# Altium PCB XuperMousePCB.PcbDoc (part 1 of 3) (continued)
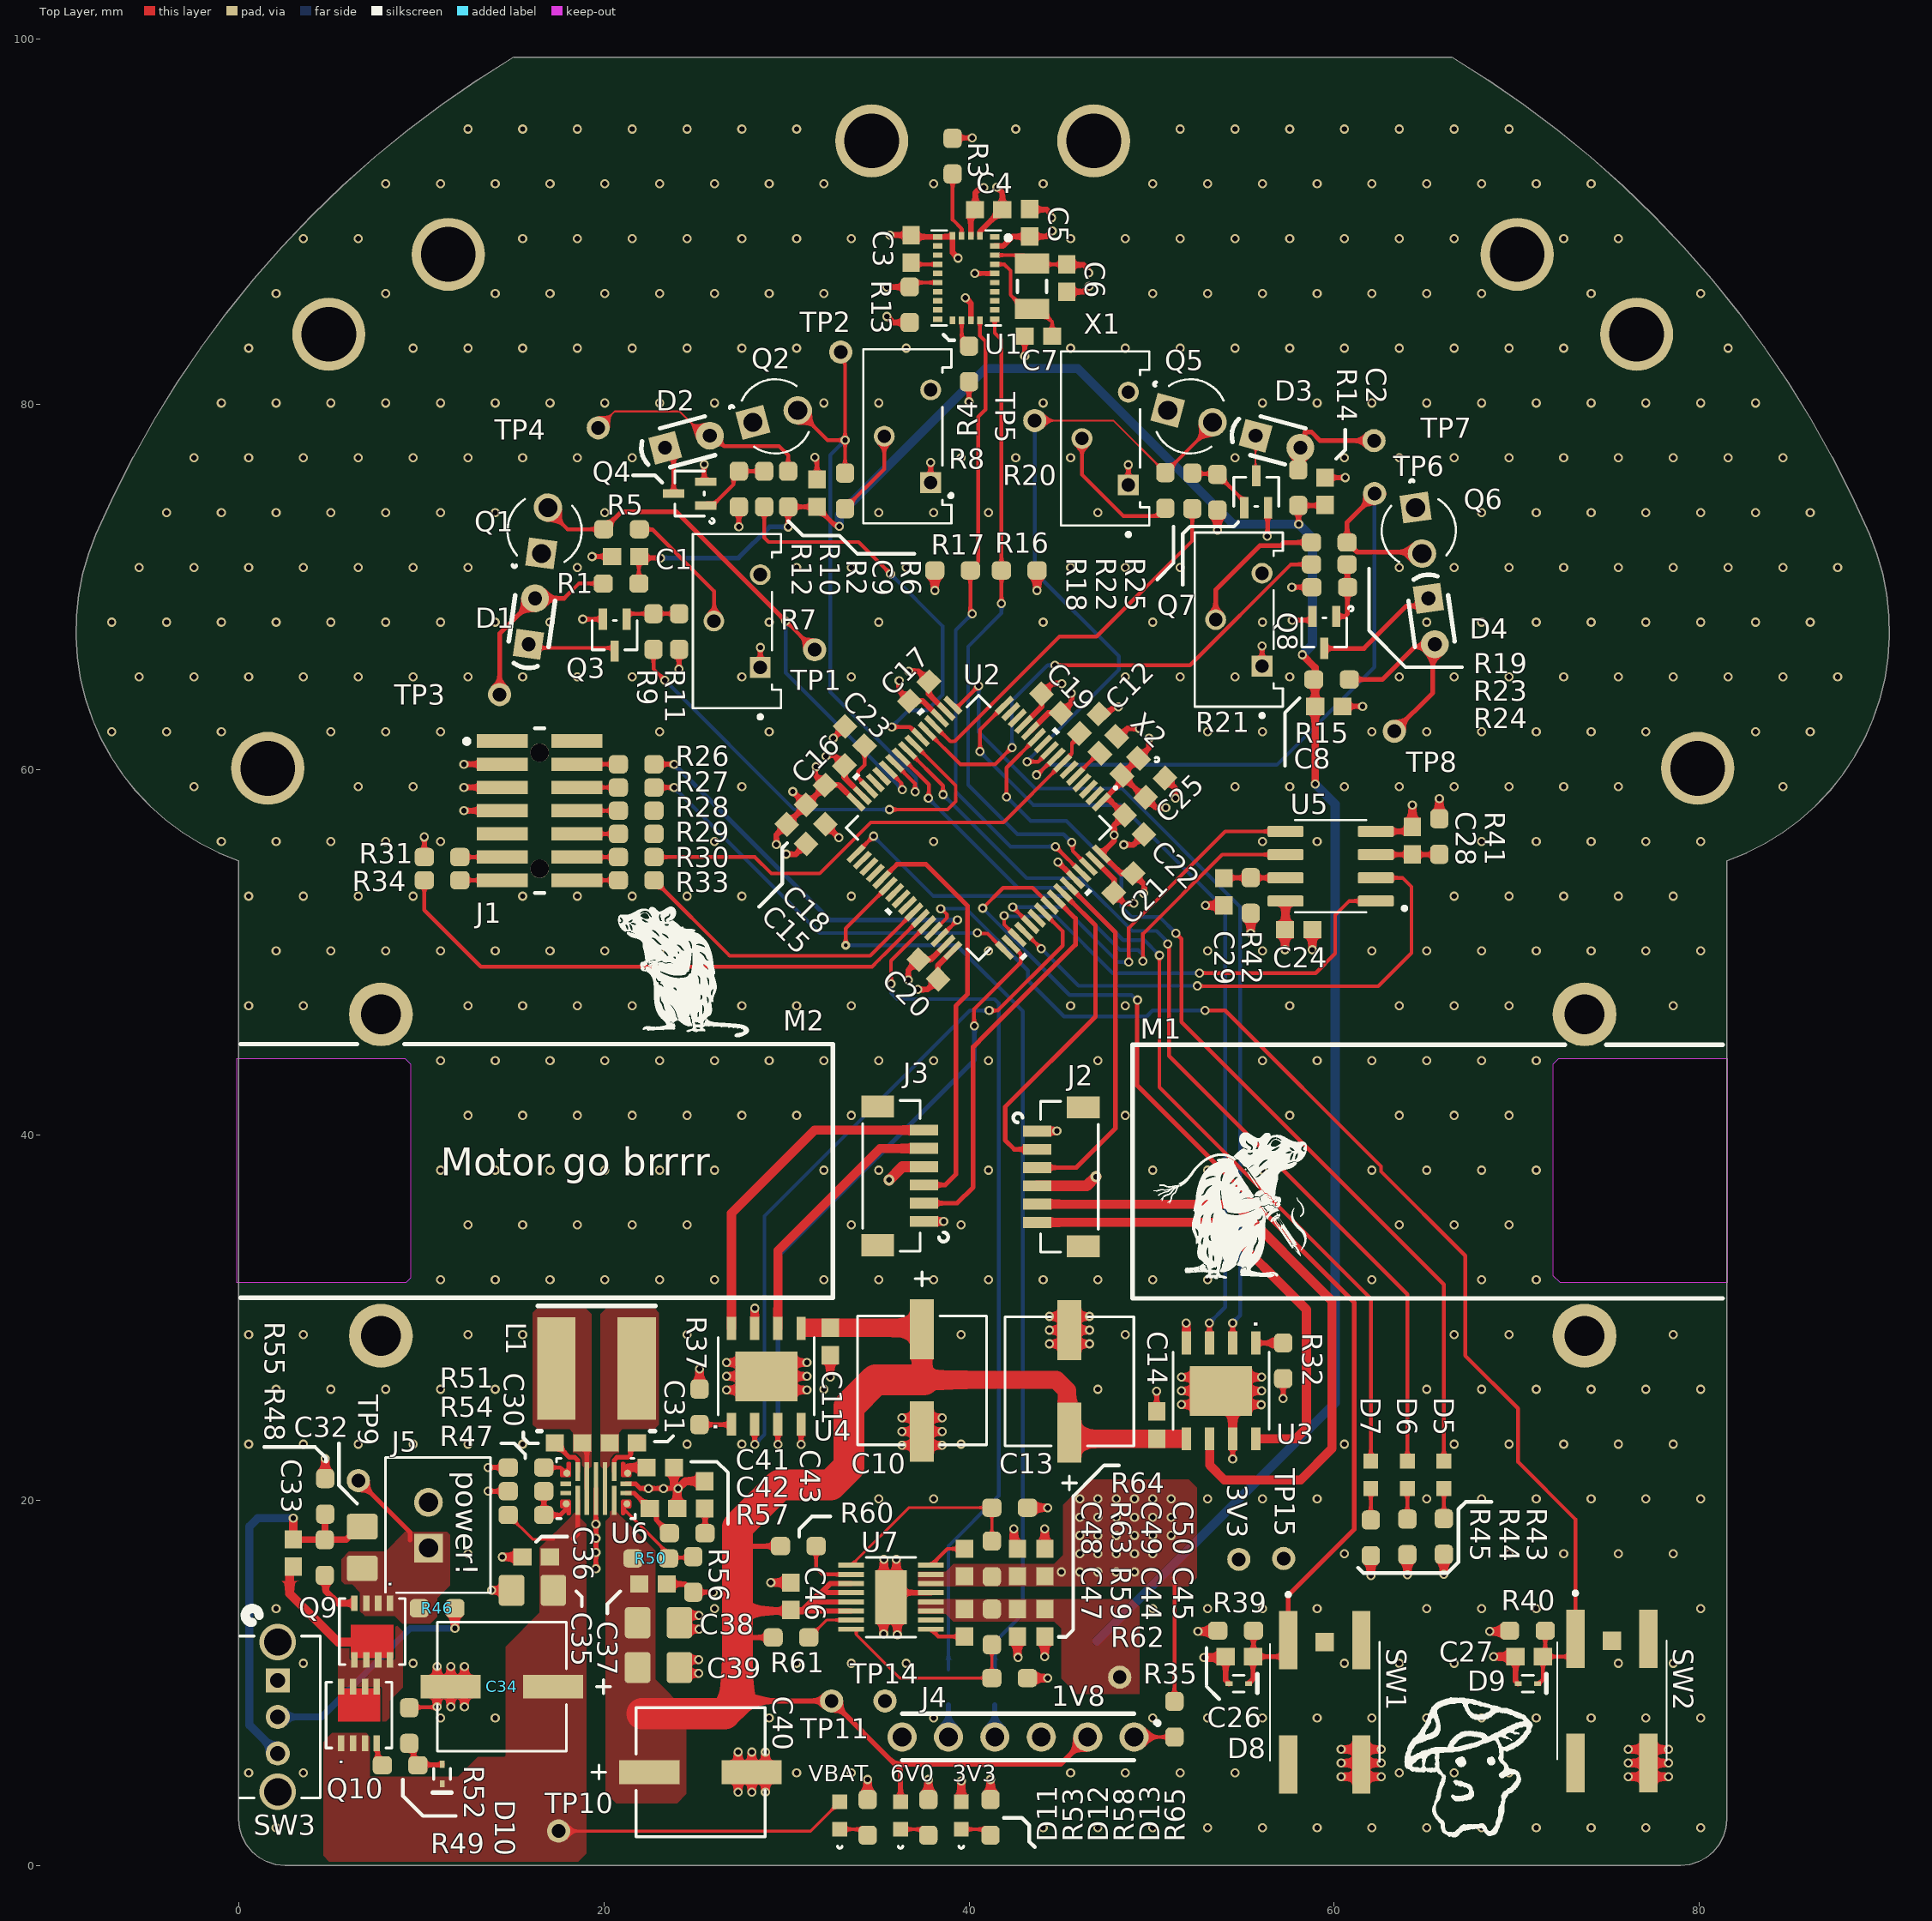
[diagram p0: Top Layer view]
## Part data (continued)
D11 D12 D13: "LED yellow green 0603 wavelength 567.5~576.5nm light intensity 4.5~28mcd Front Mounting", Case Code (Imperial)=0603, Case Code (Metric)=1608, Color=Green, Forward Current=30mA, Forward Voltage=1.9V, Illumination Color="Green, Yellow", Lens Color="Clear, Colorless", Manufacturer="Diodes Inc.", Manufacturer Package Identifier=LTST-C193KGKT-5A, Max Operating Temperature=85°C, Min Operating Temperature=-55°C, Power Dissipation=50mW, Power Rating=75mW, Reverse Voltage=5V, Test Current=5mA, Case/Package=0603, Category=LEDs, China RoHS=Compliant, ComponentLink1Description=https://datasheet.octopart.com:443/LTST-C193KGKT-5A-Lite-On-datasheet-141439008.pdf?src-supplier=ODG+(Origin+Data+Global), ComponentLink1URL=https://datasheet.octopart.com:443/LTST-C193KGKT-5A-Lite-On-datasheet-141439008.pdf?src-supplier=ODG+(Origin+Data+Global), ComponentLink2Description=https://datasheet.octopart.com:443/LTST-C193KGKT-5A-Lite-On-datasheet-86397324.pdf?src-supplier=Upverter, ComponentLink2URL=https://datasheet.octopart.com:443/LTST-C193KGKT-5A-Lite-On-datasheet-86397324.pdf?src-supplier=Upverter, ComponentLink3Description=https://datasheet.octopart.com:443/LTST-C193KGKT-5A-Lite-On-datasheet-12546740.pdf?src-supplier=_legacy+Avnet, ComponentLink3URL=https://datasheet.octopart.com:443/LTST-C193KGKT-5A-Lite-On-datasheet-12546740.pdf?src-supplier=_legacy+Avnet, ComponentLink4Description=https://datasheet.octopart.com:443/LTST-C193KGKT-5A-Lite-On-datasheet-165573808.pdf?src-supplier=TME, ComponentLink4URL=https://datasheet.octopart.com:443/LTST-C193KGKT-5A-Lite-On-datasheet-165573808.pdf?src-supplier=TME, ComponentLink5Description=https://datasheet.octopart.com:443/LTST-C193KGKT-5A-Lite-On-datasheet-62340975.pdf?src-supplier=TME, ComponentLink5URL=https://datasheet.octopart.com:443/LTST-C193KGKT-5A-Lite-On-datasheet-62340975.pdf?src-supplier=TME, ComponentLink6Description=https://datasheet.octopart.com:443/LTST-C193KGKT-5A-Lite-On-datasheet-14174969.pdf?src-supplier=iiiC, ComponentLink6URL=https://datasheet.octopart.com:443/LTST-C193KGKT-5A-Lite-On-datasheet-14174969.pdf?src-supplier=iiiC, Country of Origin="Mainland China, Thailand", Depth=800µm, Dominant Wavelength=576.5nm, Export Control Classification Number (ECCN) Code=EAR99, Harmonized Tariff Schedule (HTS) Code=8541.40.20.00, Height=350µm, Introduction Date=2007-03-15, Lead Free="Lead Free", Length=1.6mm, Lens Style="Clear, Colorless, Diffused, Rectangular", Lens Transparency=Clear, Lifecycle Status=Production, Luminous Intensity=16.25mcd, Manufacturer Part Number=LTST-C193KGKT-5A, Mounting Technology="Surface Mount", Number of Circuits=1, Number of Elements=1, Number of LEDs=1, Number of Terminals=2, Peak Wavelength=574nm, Pins=2, Pricing="5000=0.03977, 10000=0.03887, 20000=0.03797, 40000=0.03708, 80000=0.03618 (USD)", Radiation Hardening=No, REACH SVHC=Yes, RoHS=Compliant, Schedule B="8541402000, 8541402000|8541402000|8541402000|8541402000|8541402000|8541402000|8541402000|8541402000|8541402000|8541402000|8541402000|8541402000|8541402000|8541402000|8541402000|8541402000|8541402000|8541402000|8541402000|8541402000|8541402000|8541402000|8541402000|85", Shape=Rectangular, Stock=95000, Supplier 1=Avnet, Supplier Part Number 1=LTST-C193KGKT-5A, Terminal Pitch=1.5mm, Viewing Angle=130°, Wavelength=571nm, Width=800µm
J1: Supplier Part Number 1=FTSH-107-01-L-DV-K-A-ND, Supplier 1=DigiKey
J2 J3: "Connector Header, SR Series, 6 Position, 1.00mm, 50V, Surface Mount, Tin, Natural", Color=Natural, Contact Resistance=40mΩ, Current Rating=1A, Dielectric Material=Polyamide, Flammability Rating="UL94 V-0", Insulation Resistance=100MΩ, Manufacturer=JST, Manufacturer Part Number=BM06B-SRSS-TB(LF)(SN), Max Operating Temperature=85°C, Min Operating Temperature=-25°C, Voltage Rating=50V, Category="Headers and Wire Housings", China RoHS=Compliant, ComponentLink1Description=https://datasheet.octopart.com:443/BM06B-SRSS-TB%28LF%29%28SN%29-JST-datasheet-120967.pdf?src-supplier=Upverter, ComponentLink1URL=https://datasheet.octopart.com:443/BM06B-SRSS-TB%28LF%29%28SN%29-JST-datasheet-120967.pdf?src-supplier=Upverter, ComponentLink2Description=https://datasheet.octopart.com:443/BM06B-SRSS-TB%28LF%29%28SN%29-JST-datasheet-152738602.pdf?src-supplier=Upverter, ComponentLink2URL=https://datasheet.octopart.com:443/BM06B-SRSS-TB%28LF%29%28SN%29-JST-datasheet-152738602.pdf?src-supplier=Upverter, ComponentLink3Description=https://datasheet.octopart.com:443/BM06B-SRSS-TB%28LF%29%28SN%29-JST-datasheet-12489618.pdf?src-supplier=Component+Distributors+Inc., ComponentLink3URL=https://datasheet.octopart.com:443/BM06B-SRSS-TB%28LF%29%28SN%29-JST-datasheet-12489618.pdf?src-supplier=Component+Distributors+Inc., ComponentLink4Description=https://datasheet.octopart.com:443/BM06B-SRSS-TB%28LF%29%28SN%29-JST-datasheet-65849987.pdf?src-supplier=element14+APAC, ComponentLink4URL=https://datasheet.octopart.com:443/BM06B-SRSS-TB%28LF%29%28SN%29-JST-datasheet-65849987.pdf?src-supplier=element14+APAC, ComponentLink5Description=https://datasheet.octopart.com:443/BM06B-SRSS-TB%28LF%29%28SN%29-JST-datasheet-12513377.pdf?src-supplier=Factory+Futures, ComponentLink5URL=https://datasheet.octopart.com:443/BM06B-SRSS-TB%28LF%29%28SN%29-JST-datasheet-12513377.pdf?src-supplier=Factory+Futures, ComponentLink6Description=https://datasheet.octopart.com:443/BM06B-SRSS-TB%28LF%29%28SN%29-JST-datasheet-5322443.pdf?src-supplier=Newark, ComponentLink6URL=https://datasheet.octopart.com:443/BM06B-SRSS-TB%28LF%29%28SN%29-JST-datasheet-5322443.pdf?src-supplier=Newark, ComponentLink7Description=https://datasheet.octopart.com:443/BM06B-SRSS-TB-%28LF%29%28SN%29-JST-datasheet-44103209.pdf?src-supplier=TME, ComponentLink7URL=https://datasheet.octopart.com:443/BM06B-SRSS-TB-%28LF%29%28SN%29-JST-datasheet-44103209.pdf?src-supplier=TME, ComponentLink8Description=https://datasheet.octopart.com:443/BM06B-SRSS-TB%28LF%29%28SN%29-JST-datasheet-8330955.pdf?src-supplier=Farnell, ComponentLink8URL=https://datasheet.octopart.com:443/BM06B-SRSS-TB%28LF%29%28SN%29-JST-datasheet-8330955.pdf?src-supplier=Farnell, Connector Type="Male Pin", Contact Material="Copper, Tin", Contact Plating=Tin, Country of Origin="Mainland China", Export Control Classification Number (ECCN) Code=EAR99, Gender=Male, Harmonized Tariff Schedule (HTS) Code=8536.69.40.40, Height=4.25mm, Housing Color=Natural, Housing Material=Nylon, Introduction Date=2009-02-11, Lead Free="Lead Free", Lead Pitch=1mm, Length=8mm, Lifecycle Status=Production, Material=Polyamide, Mounting Technology="Surface Mount", Number of Contacts=6, Number of Poles=6, Number of Positions=6, Number of Rows=1, Packaging="Cut Tape", Pins=6, Pitch=1mm, Pricing="1500=0.35, 3000=0.345, 4500=0.34 (USD)", REACH SVHC=Yes, RoHS=Compliant, Schedule B=8536694040, Shape=Straight, Stock=27000, Supplier 1="Future Electronics", Supplier Part Number 1=BM06B-SRSS-TB(LF)(SN), Terminal Pitch=1mm, Termination=Solder, Voltage Rating (AC)=50V, Width=2.9mm
J4: "Connector Header, SR Series, 6 Position, 1.00mm, 50V, Surface Mount, Tin, Natural"
J5: "Board Connector, 2 Contact(s), 1 Row(s), Male, Straight, Solder Terminal", Color=White, Contact Resistance=20mΩ, Current Rating=3A, Insulation Resistance=1GΩ, Manufacturer=JST, Manufacturer Part Number=B2B-XH-A, Max Operating Temperature=85°C, Min Operating Temperature=-25°C, Supplier Part Number 1=455-B2B-XH-A-ND, Category="Card Edge Connectors", ComponentLink1Description=https://datasheet.octopart.com:443/B2B-XH-A-JST-datasheet-157850277.pdf?src-supplier=IHS, ComponentLink1URL=https://datasheet.octopart.com:443/B2B-XH-A-JST-datasheet-157850277.pdf?src-supplier=IHS, ComponentLink2Description=https://datasheet.octopart.com:443/B2B-XH-A-JST-datasheet-10026044.pdf?src-supplier=TME, ComponentLink2URL=https://datasheet.octopart.com:443/B2B-XH-A-JST-datasheet-10026044.pdf?src-supplier=TME, Contact Material=Brass, Gender=Male, Housing Material=Nylon, Lifecycle Status=Production, Number of Positions=2, Number of Rows=1, Orientation=Straight, Pins=2, Pricing="1=0.1, 10=0.087, 100=0.0742, 500=0.06618, 1000=0.06301, 5000=0.05624, 10000=0.05355 (USD)", RoHS=Compliant, Stock=87864, Supplier 1=DigiKey, Terminal Pitch=2.5mm
L1: library part IND_FIXED, "Ind Power Shielded Wirewound 8.2uH 20% 100kHz Metal Alloy Powder 8A (6.6 X 6.4 X 5.8mm) T/R", DC Resistance (DCR)=24.8mΩ, Inductance Tolerance=20%, Manufacturer=Bourns, Manufacturer Part Number=SRP6060FA-8R2M, Max Current Rating=8A, Max Operating Temperature=155°C, Min Operating Temperature=-55°C, Ratings=AEC-Q200, Saturation Current=8.5A, Self Resonant Frequency=14MHz, Supplier Part Number 1=33AK4499, Test Frequency=100kHz, Category="Fixed Inductors", China RoHS=Compliant, ComponentLink1Description=https://datasheet.octopart.com:443/SRP6060FA-8R2M-Bourns-datasheet-179985811.pdf?src-supplier=JRH+Electronics, ComponentLink1URL=https://datasheet.octopart.com:443/SRP6060FA-8R2M-Bourns-datasheet-179985811.pdf?src-supplier=JRH+Electronics, ComponentLink2Description=https://datasheet.octopart.com:443/SRP6060FA-8R2M-Bourns-datasheet-110646386.pdf?src-supplier=Master+Electronics, ComponentLink2URL=https://datasheet.octopart.com:443/SRP6060FA-8R2M-Bourns-datasheet-110646386.pdf?src-supplier=Master+Electronics, ComponentLink3Description=https://datasheet.octopart.com:443/SRP6060FA-8R2M-Bourns-datasheet-165058501.pdf?src-supplier=Burklin+Elektronik, ComponentLink3URL=https://datasheet.octopart.com:443/SRP6060FA-8R2M-Bourns-datasheet-165058501.pdf?src-supplier=Burklin+Elektronik, ComponentLink4Description=http://sigma.octopart.com:80/conflict_mineral_statement/Bourns-company-36.pdf?src-supplier=Compliance+Statements, ComponentLink4URL=http://sigma.octopart.com:80/conflict_mineral_statement/Bourns-company-36.pdf?src-supplier=Compliance+Statements, Composition=Wirewound, Contact Plating=Tin, ESR=24.8mΩ, Export Control Classification Number (ECCN) Code=EAR99, Harmonized Tariff Schedule (HTS) Code=8504.50.80.00, Height=5.8mm, Introduction Date=2018-06-07, Length=6.6mm, Lifecycle Status=Production, Number of Circuits=1, Number of Terminals=2, Pricing="1=1.6, 10=1.38, 25=1.26, 50=1.23, 100=1.2, 250=1.17, 500=1.08 (USD)", REACH SVHC=Yes, RMS Current (Irms)=8A, RoHS=Compliant, Schedule B="8504500000, 8504500000|8504500000|8504500000|8504500000|8504500000", Shielding=Shielded, Stock=422, Supplier 1=Avnet, Tolerance=20%, Width=6.4mm
Q1 Q2 Q5 Q6: library part NPN_PHOTOTRANSISTOR, "TEFT4300 Series 925 nm ±60° 70 V 50 mA Silicon NPN Phototransistor - T-5", Case/Package=T, Collector Emitter Breakdown Voltage=70V, Collector Emitter Saturation Voltage=300mV, Dark Current=200nA, Manufacturer=Vishay, Max Collector Current=50mA, Max Operating Temperature=100°C, Max Power Dissipation=185mW, Min Operating Temperature=-40°C, Power Consumption=100mW, Category="Photoelectric Sensors", Collector Emitter Voltage (VCEO)=70V, ComponentLink1Description=https://datasheet.octopart.com:443/TEFT4300-Vishay-datasheet-181475792.pdf?src-supplier=IHS, ComponentLink1URL=https://datasheet.octopart.com:443/TEFT4300-Vishay-datasheet-181475792.pdf?src-supplier=IHS, ComponentLink2Description=https://datasheet.octopart.com:443/TEFT4300-Vishay-datasheet-181483772.pdf?src-supplier=IHS, ComponentLink2URL=https://datasheet.octopart.com:443/TEFT4300-Vishay-datasheet-181483772.pdf?src-supplier=IHS, ComponentLink3Description=https://datasheet.octopart.com:443/TEFT4300-Vishay-datasheet-12551779.pdf?src-supplier=Farnell, ComponentLink3URL=https://datasheet.octopart.com:443/TEFT4300-Vishay-datasheet-12551779.pdf?src-supplier=Farnell, ComponentLink4Description=https://datasheet.octopart.com:443/TEFT4300-Vishay-datasheet-8540529.pdf?src-supplier=Farnell, ComponentLink4URL=https://datasheet.octopart.com:443/TEFT4300-Vishay-datasheet-8540529.pdf?src-supplier=Farnell, ComponentLink5Description=https://datasheet.octopart.com:443/TEFT4300-Vishay-datasheet-62319322.pdf?src-supplier=element14+APAC, ComponentLink5URL=https://datasheet.octopart.com:443/TEFT4300-Vishay-datasheet-62319322.pdf?src-supplier=element14+APAC, ComponentLink6Description=https://datasheet.octopart.com:443/TEFT4300-Vishay-Semiconductor-datasheet-41195801.pdf?src-supplier=element14+APAC, ComponentLink6URL=https://datasheet.octopart.com:443/TEFT4300-Vishay-Semiconductor-datasheet-41195801.pdf?src-supplier=element14+APAC, ComponentLink7Description=https://datasheet.octopart.com:443/TEFT4300..-Vishay-datasheet-78863672.pdf?src-supplier=element14+APAC, ComponentLink7URL=https://datasheet.octopart.com:443/TEFT4300..-Vishay-datasheet-78863672.pdf?src-supplier=element14+APAC, ComponentLink8Description=https://datasheet.octopart.com:443/TEFT4300-Vishay-datasheet-68328189.pdf?src-supplier=TME, ComponentLink8URL=https://datasheet.octopart.com:443/TEFT4300-Vishay-datasheet-68328189.pdf?src-supplier=TME, ComponentLink9Description=https://datasheet.octopart.com:443/TEFT4300-Vishay-datasheet-33014373.pdf?src-supplier=Newark, ComponentLink9URL=https://datasheet.octopart.com:443/TEFT4300-Vishay-datasheet-33014373.pdf?src-supplier=Newark, ComponentLink10Description=https://datasheet.octopart.com:443/TEFT4300-Vishay-datasheet-63338.pdf?src-supplier=Newark, ComponentLink10URL=https://datasheet.octopart.com:443/TEFT4300-Vishay-datasheet-63338.pdf?src-supplier=Newark, ComponentLink11Description=http://sigma.octopart.com:80/rohs_statement/Vishay-company-15.pdf?src-supplier=Compliance+Statements, ComponentLink11URL=http://sigma.octopart.com:80/rohs_statement/Vishay-company-15.pdf?src-supplier=Compliance+Statements, Fall Time=2.3µs, Harmonized Tariff Schedule (HTS) Code=8541.40.70.80, Height=4.5mm, Introduction Date=1995-08-01, Lead Free="Lead Free", Length=3.2mm, Lens Style=Domed, Lifecycle Status=Production, Manufacturer Part Number=TEFT4300, Mounting Technology="Through Hole", Number of Channels=1, Number of Circuits=1, Number of Elements=1, Orientation="Top View", Peak Wavelength=925nm, Pins=2, Polarity=NPN, Power Dissipation=100mW, Pricing="5000=0.17962, 10000=0.17625, 20000=0.17407, 40000=0.17091, 80000=0.16588 (USD)", Radiation Hardening=No, REACH SVHC=Yes, RoHS=Compliant, Schedule B="8541407080, 8541407080|8541407080|8541407080|8541407080|8541407080", Shape=Round, Stock=5000, Supplier=Avnet, Supplier 1=Avnet, Supplier Part Number=TEFT4300, Supplier Part Number 1=TEFT4300, Viewing Angle=30°, Wavelength=925nm, Width=3.9mm
Q3 Q4 Q7 Q8: library part NMOS, "Transistor MOSFET N-CH 60V 0.32A Automotive 3-Pin SC-70 T/R", Continuous Drain Current (ID)=320mA, Drain to Source Resistance=1.6Ω, Manufacturer=Nexperia, Manufacturer Lifecycle Status="RELEASED FOR SUPPLY", Max Operating Temperature=150°C, Max Power Dissipation=310mW, Min Breakdown Voltage=60V, Ratings=AEC-Q101, Supplier Part Number=58T1369, Category=MOSFETs, China RoHS=Compliant, ComponentLink1Description=https://datasheet.octopart.com:443/BSS138PW%2C115-Nexperia-datasheet-87581096.pdf?src-supplier=Newark, ComponentLink1URL=https://datasheet.octopart.com:443/BSS138PW%2C115-Nexperia-datasheet-87581096.pdf?src-supplier=Newark, ComponentLink2Description=https://datasheet.octopart.com:443/BSS138PW%2C115-Nexperia-datasheet-10542180.pdf?src-supplier=IHS, ComponentLink2URL=https://datasheet.octopart.com:443/BSS138PW%2C115-Nexperia-datasheet-10542180.pdf?src-supplier=IHS, ComponentLink3Description=https://datasheet.octopart.com:443/BSS138PW%2C115-Nexperia-datasheet-180923270.pdf?src-supplier=Farnell, ComponentLink3URL=https://datasheet.octopart.com:443/BSS138PW%2C115-Nexperia-datasheet-180923270.pdf?src-supplier=Farnell, ComponentLink4Description=http://sigma.octopart.com:80/reach_statement/NXP-Semiconductors-company-13.pdf?src-supplier=Compliance+Statements, ComponentLink4URL=http://sigma.octopart.com:80/reach_statement/NXP-Semiconductors-company-13.pdf?src-supplier=Compliance+Statements, ComponentLink5Description=http://sigma.octopart.com:80/rohs_statement/NXP-Semiconductors-company-12.pdf?src-supplier=Compliance+Statements, ComponentLink5URL=http://sigma.octopart.com:80/rohs_statement/NXP-Semiconductors-company-12.pdf?src-supplier=Compliance+Statements, Contact Plating=Tin, Country of Origin=Malaysia, Export Control Classification Number (ECCN) Code=EAR99, Introduction Date=2010-11-11, Lifecycle Status=Production, Manufacturer Part Number=BSS138PW,115, Number of Elements=1, Number of Terminals=3, Packaging="Tape & Reel", Pins=3, Pricing="5=0.35, 10=0.217, 25=0.189, 50=0.161, 100=0.133 (USD)", REACH SVHC=Yes, RoHS=Compliant, Schedule B="8541210080, 8541210080|8541210080, 8541210080|8541210080|8541210080, 8541210080|8541210080|8541210080|8541210080", Stock=868, Supplier=Newark, Supplier 1=Newark, Supplier Part Number 1=BSS138PW,115
Q9 Q10: library part PMOS, "Single P-Channel 20 V 17 mOhm 116 nC 41 W PowerTrench SMT Mosfet - MLP-3.3x3.3", Continuous Drain Current (ID)=12A, Drain to Source Breakdown Voltage=-20V, Drain to Source Resistance=8mΩ, Gate to Source Voltage (Vgs)=8V, Input Capacitance=7.86nF, Manufacturer=onsemi, Manufacturer Lifecycle Status=ACTIVE, Max Junction Temperature (Tj)=150°C, Max Power Dissipation=41W, Min Breakdown Voltage=20V, Min Operating Temperature=-55°C, Power Dissipation=2.3W, Supplier Part Number=55T6319, Threshold Voltage=-500mV, Category=MOSFETs, China RoHS=Compliant, ComponentLink1Description=https://datasheet.octopart.com:443/FDMC510P-onsemi-datasheet-165728270.pdf?src-supplier=JRH+Electronics, ComponentLink1URL=https://datasheet.octopart.com:443/FDMC510P-onsemi-datasheet-165728270.pdf?src-supplier=JRH+Electronics, ComponentLink2Description=https://datasheet.octopart.com:443/FDMC510P-onsemi-datasheet-180959644.pdf?src-supplier=IHS, ComponentLink2URL=https://datasheet.octopart.com:443/FDMC510P-onsemi-datasheet-180959644.pdf?src-supplier=IHS, ComponentLink3Description=https://datasheet.octopart.com:443/FDMC510P-Fairchild-Semiconductor-datasheet-182289896.pdf?src-supplier=IHS, ComponentLink3URL=https://datasheet.octopart.com:443/FDMC510P-Fairchild-Semiconductor-datasheet-182289896.pdf?src-supplier=IHS, ComponentLink4Description=https://sigma.octopart.com:443/138897669/technical_drawing/onsemi-FDMC510P.pdf?src-supplier=Upverter, ComponentLink4URL=https://sigma.octopart.com:443/138897669/technical_drawing/onsemi-FDMC510P.pdf?src-supplier=Upverter, ComponentLink5Description=https://datasheet.octopart.com:443/FDMC510P-ON-Semiconductor-datasheet-98394445.pdf?src-supplier=Master+Electronics, ComponentLink5URL=https://datasheet.octopart.com:443/FDMC510P-ON-Semiconductor-datasheet-98394445.pdf?src-supplier=Master+Electronics, ComponentLink6Description=https://datasheet.octopart.com:443/FDMC510P-ON-Semiconductor-datasheet-85476435.pdf?src-supplier=onsemi, ComponentLink6URL=https://datasheet.octopart.com:443/FDMC510P-ON-Semiconductor-datasheet-85476435.pdf?src-supplier=onsemi, ComponentLink7Description=https://datasheet.octopart.com:443/FDMC510P-ON-Semiconductor-datasheet-86693097.pdf?src-supplier=onsemi, ComponentLink7URL=https://datasheet.octopart.com:443/FDMC510P-ON-Semiconductor-datasheet-86693097.pdf?src-supplier=onsemi, ComponentLink8Description=https://datasheet.octopart.com:443/FDMC510P-Fairchild-Semiconductor-datasheet-10853929.pdf?src-supplier=element14+APAC, ComponentLink8URL=https://datasheet.octopart.com:443/FDMC510P-Fairchild-Semiconductor-datasheet-10853929.pdf?src-supplier=element14+APAC, ComponentLink9Description=https://datasheet.octopart.com:443/FDMC510P-ON-Semiconductor-datasheet-86688170.pdf?src-supplier=element14+APAC, ComponentLink9URL=https://datasheet.octopart.com:443/FDMC510P-ON-Semiconductor-datasheet-86688170.pdf?src-supplier=element14+APAC, ComponentLink10Description=https://datasheet.octopart.com:443/FDMC510P-Fairchild-Semiconductor-datasheet-33026367.pdf?src-supplier=element14+APAC, ComponentLink10URL=https://datasheet.octopart.com:443/FDMC510P-Fairchild-Semiconductor-datasheet-33026367.pdf?src-supplier=element14+APAC, ComponentLink11Description=https://datasheet.octopart.com:443/FDMC510P-onsemi-datasheet-181958840.pdf?src-supplier=Newark, ComponentLink11URL=https://datasheet.octopart.com:443/FDMC510P-onsemi-datasheet-181958840.pdf?src-supplier=Newark, ComponentLink12Description=https://datasheet.octopart.com:443/FDMC510P-Fairchild-Semiconductor-datasheet-21199293.pdf?src-supplier=Newark, ComponentLink12URL=https://datasheet.octopart.com:443/FDMC510P-Fairchild-Semiconductor-datasheet-21199293.pdf?src-supplier=Newark, ComponentLink13Description=https://datasheet.octopart.com:443/FDMC510P-Fairchild-Semiconductor-datasheet-32852807.pdf?src-supplier=Newark, ComponentLink13URL=https://datasheet.octopart.com:443/FDMC510P-Fairchild-Semiconductor-datasheet-32852807.pdf?src-supplier=Newark, ComponentLink14Description=https://datasheet.octopart.com:443/FDMC510P-ON-Semiconductor-datasheet-33132503.pdf?src-supplier=Fairchild+Semiconductor, ComponentLink14URL=https://datasheet.octopart.com:443/FDMC510P-ON-Semiconductor-datasheet-33132503.pdf?src-supplier=Fairchild+Semiconductor, ComponentLink15Description=https://sigma.octopart.com:443/33130028/technical_drawing/Fairchild-Semiconductor-FDMC510P.pdf?src-supplier=Fairchild+Semiconductor, ComponentLink15URL=https://sigma.octopart.com:443/33130028/technical_drawing/Fairchild-Semiconductor-FDMC510P.pdf?src-supplier=Fairchild+Semiconductor, ComponentLink16Description=https://sigma.octopart.com:443/17347435/technical_drawing/Fairchild-Semiconductor-FDMC510P.pdf?src-supplier=Fairchild+Semiconductor, ComponentLink16URL=https://sigma.octopart.com:443/17347435/technical_drawing/Fairchild-Semiconductor-FDMC510P.pdf?src-supplier=Fairchild+Semiconductor, ComponentLink17Description=https://datasheet.octopart.com:443/FDMC510P-Fairchild-Semiconductor-datasheet-31665617.pdf?src-supplier=Farnell, ComponentLink17URL=https://datasheet.octopart.com:443/FDMC510P-Fairchild-Semiconductor-datasheet-31665617.pdf?src-supplier=Farnell, ComponentLink18Description=https://datasheet.octopart.com:443/FDMC510P-Fairchild-Semiconductor-datasheet-11793458.pdf?src-supplier=Arrow+Electronics, ComponentLink18URL=https://datasheet.octopart.com:443/FDMC510P-Fairchild-Semiconductor-datasheet-11793458.pdf?src-supplier=Arrow+Electronics, ComponentLink19Description=https://datasheet.octopart.com:443/FDMC510P-ON-Semiconductor-datasheet-130079718.pdf?src-supplier=TME, ComponentLink19URL=https://datasheet.octopart.com:443/FDMC510P-ON-Semiconductor-datasheet-130079718.pdf?src-supplier=TME, ComponentLink20Description=https://datasheet.octopart.com:443/FDMC510P-Fairchild-Semiconductor-datasheet-14042252.pdf?src-supplier=iiiC, ComponentLink20URL=https://datasheet.octopart.com:443/FDMC510P-Fairchild-Semiconductor-datasheet-14042252.pdf?src-supplier=iiiC, ComponentLink21Description=http://sigma.octopart.com:80/150608879/rohs_statement/ON-Semiconductor-FDMC510P.pdf?src-supplier=Compliance+Statements, ComponentLink21URL=http://sigma.octopart.com:80/150608879/rohs_statement/ON-Semiconductor-FDMC510P.pdf?src-supplier=Compliance+Statements, ComponentLink22Description=http://sigma.octopart.com:80/17347465/reach_statement/Fairchild-Semiconductor-FDMC510P.pdf?src-supplier=Compliance+Statements, ComponentLink22URL=http://sigma.octopart.com:80/17347465/reach_statement/Fairchild-Semiconductor-FDMC510P.pdf?src-supplier=Compliance+Statements, ComponentLink23Description=http://sigma.octopart.com:80/17347469/materials_sheet/Fairchild-Semiconductor-FDMC510P.pdf?src-supplier=Compliance+Statements, ComponentLink23URL=http://sigma.octopart.com:80/17347469/materials_sheet/Fairchild-Semiconductor-FDMC510P.pdf?src-supplier=Compliance+Statements, ComponentLink24Description=http://sigma.octopart.com:80/33132635/reach_statement/Fairchild-Semiconductor-FDMC510P.pdf?src-supplier=Compliance+Statements, ComponentLink24URL=http://sigma.octopart.com:80/33132635/reach_statement/Fairchild-Semiconductor-FDMC510P.pdf?src-supplier=Compliance+Statements, ComponentLink25Description=http://sigma.octopart.com:80/33132647/materials_sheet/Fairchild-Semiconductor-FDMC510P.pdf?src-supplier=Compliance+Statements, ComponentLink25URL=http://sigma.octopart.com:80/33132647/materials_sheet/Fairchild-Semiconductor-FDMC510P.pdf?src-supplier=Compliance+Statements, ComponentLink26Description=http://sigma.octopart.com:80/reach_statement/ON-Semiconductor-company-79.pdf?src-supplier=Compliance+Statements, ComponentLink26URL=http://sigma.octopart.com:80/reach_statement/ON-Semiconductor-company-79.pdf?src-supplier=Compliance+Statements, ComponentLink27Description=http://sigma.octopart.com:80/reach_statement/Fairchild-Semiconductor-company-9.pdf?src-supplier=Compliance+Statements, ComponentLink27URL=http://sigma.octopart.com:80/reach_statement/Fairchild-Semiconductor-company-9.pdf?src-supplier=Compliance+Statements, ComponentLink28Description=http://sigma.octopart.com:80/rohs_statement/Fairchild-Semiconductor-company-10.pdf?src-supplier=Compliance+Statements, ComponentLink28URL=http://sigma.octopart.com:80/rohs_statement/Fairchild-Semiconductor-company-10.pdf?src-supplier=Compliance+Statements, ComponentLink29Description=http://sigma.octopart.com:80/rohs_statement/Fairchild-Semiconductor-company-11.pdf?src-supplier=Compliance+Statements, ComponentLink29URL=http://sigma.octopart.com:80/rohs_statement/Fairchild-Semiconductor-company-11.pdf?src-supplier=Compliance+Statements, ComponentLink30Description=https://octopart.com:443/opatz8j6/c1?t=dVssBGCTMjMDuZ8LzfI9h-sCjmCv5fC98FaG_P8I69eWOln85ap1aE-Ca2bz-RAyN2ZXqR6przDzMpCE58kh4AJDHYDyR3EpiomfbbDlH4jXtrkNWaDVizcOiV7jmULHPFoYVJAH90Rx5QNsievqdckXrXmLYAFVonklUYXppuEPic276FdRbjc2zYru_rs1cSu4-6y02IakjByRH9wH7ES2BWSk7eA1NwGWHKQ1bgEFufbeIPnBRlFJ2r5lIWj5r9jzPV4HLpWTYrqG4y-Gwam281sC2yDMtqQo1L_Ous2VjI3XkGPB-LvVfIQiWMMSNC83OfJzuEA_eoibmu3f00fgEoipcTa800Bljw&src-supplier=Compliance+Statements, ComponentLink30URL=https://octopart.com:443/opatz8j6/c1?t=dVssBGCTMjMDuZ8LzfI9h-sCjmCv5fC98FaG_P8I69eWOln85ap1aE-Ca2bz-RAyN2ZXqR6przDzMpCE58kh4AJDHYDyR3EpiomfbbDlH4jXtrkNWaDVizcOiV7jmULHPFoYVJAH90Rx5QNsievqdckXrXmLYAFVonklUYXppuEPic276FdRbjc2zYru_rs1cSu4-6y02IakjByRH9wH7ES2BWSk7eA1NwGWHKQ1bgEFufbeIPnBRlFJ2r5lIWj5r9jzPV4HLpWTYrqG4y-Gwam281sC2yDMtqQo1L_Ous2VjI3XkGPB-LvVfIQiWMMSNC83OfJzuEA_eoibmu3f00fgEoipcTa800Bljw&src-supplier=Compliance+Statements, ComponentLink31Description=https://octopart.com:443/opatz8j6/c1?t=ur27FYyO6V6hX1TgMYtmm8OD-P2le7yUFyviZdag842a6RB6B76-HyNzzxTkr3DykXScWdfYvd_d4AuEORiF2Eg5UPIMXJzw-g1ysG48Pa3n2ew7j1Jol16yAbQYlqZfOOVG36Xa2ealcgWEbMkHsy38FXKcIwpMWyneeip2g_VuQ4pe9Hu33BoPR6pAOFWuZDzNMrc4ZUXwNbDIilaAB7qhgoqT1IlrvMfexiSRB7D8_MN69XK-sqE8U5E0iED-b6_M4yP2hG4xxVdhUblIYtUmVsbOoEUCM3MC6YkG10UWi5iEcPtPDOKVNw0cpfVpxKYIrSRS-220T8_vfQM613JpenGVWuGw0El1&src-supplier=Compliance+Statements, ComponentLink31URL=https://octopart.com:443/opatz8j6/c1?t=ur27FYyO6V6hX1TgMYtmm8OD-P2le7yUFyviZdag842a6RB6B76-HyNzzxTkr3DykXScWdfYvd_d4AuEORiF2Eg5UPIMXJzw-g1ysG48Pa3n2ew7j1Jol16yAbQYlqZfOOVG36Xa2ealcgWEbMkHsy38FXKcIwpMWyneeip2g_VuQ4pe9Hu33BoPR6pAOFWuZDzNMrc4ZUXwNbDIilaAB7qhgoqT1IlrvMfexiSRB7D8_MN69XK-sqE8U5E0iED-b6_M4yP2hG4xxVdhUblIYtUmVsbOoEUCM3MC6YkG10UWi5iEcPtPDOKVNw0cpfVpxKYIrSRS-220T8_vfQM613JpenGVWuGw0El1&src-supplier=Compliance+Statements, ComponentLink32Description=https://octopart.com:443/opatz8j6/c1?t=RML8NUxsOD3zxQbLCG8hisxkZIMWN814d7TbImpILMRVzn674V32XSskTU4OpmrXR_F4c8XdCQhWM49aP13ECACXcxqgWHE-E8PlMICW5HechuJMk2pSs0e9rMmYu0YD-EiUNcRS0SwVh-bt5aJmjImXp9rfv5BjJi5oB7pKW6ijneoujgUEyPkNEhjf8nC2laKbe16OQmqFg_QBC8wyWOOSBmsIk6z1ll_is2cHUHx9HwPKEn_pOxfF08i0Zq1-2eWXrF4Fn-y5i3i5XSXygnw-VVhNUAEKeHZUfp77q22Ac852uuosVrhPrj7IIUecCxlsDZn6FyzrV2cOLnTUKkxkBaPb3k2QDqjkJg&src-supplier=Compliance+Statements, ComponentLink32URL=https://octopart.com:443/opatz8j6/c1?t=RML8NUxsOD3zxQbLCG8hisxkZIMWN814d7TbImpILMRVzn674V32XSskTU4OpmrXR_F4c8XdCQhWM49aP13ECACXcxqgWHE-E8PlMICW5HechuJMk2pSs0e9rMmYu0YD-EiUNcRS0SwVh-bt5aJmjImXp9rfv5BjJi5oB7pKW6ijneoujgUEyPkNEhjf8nC2laKbe16OQmqFg_QBC8wyWOOSBmsIk6z1ll_is2cHUHx9HwPKEn_pOxfF08i0Zq1-2eWXrF4Fn-y5i3i5XSXygnw-VVhNUAEKeHZUfp77q22Ac852uuosVrhPrj7IIUecCxlsDZn6FyzrV2cOLnTUKkxkBaPb3k2QDqjkJg&src-supplier=Compliance+Statements, ComponentLink33Description=https://octopart.com:443/opatz8j6/c1?t=ufmlkAmUS6MZ-17ePBarHbc93ydNq8eGZQ0uTxoTrkmQ1MRSwF9KwTFjFjAgo9HcFrtzUSnf1P65j3Lz7eGF6jydxYNGOEIsCBDujU0FsXFPnBJbOTeyY6oOK-w7douSgfiJmsVPw2G3MJ_qKT8i5rYQ4u-soB1E1yDKj1eKh3LO1RwFyk7iXLS9VOkvFPCESk-9Ns8-OSraXB-xNepBnO_lfd9606VBexn1tXLvRynW--i4ax44CvNnqKbAZxH82NP1VAut5zwmhlO-hYedaCK05bTQ7OkheYpxIzA2mC7ELajepPR_fPo26NaJh9t4Sgtxl9-c4nO_U8dely3pgMVGsf9i0vV64Hwf&src-supplier=Compliance+Statements, ComponentLink33URL=https://octopart.com:443/opatz8j6/c1?t=ufmlkAmUS6MZ-17ePBarHbc93ydNq8eGZQ0uTxoTrkmQ1MRSwF9KwTFjFjAgo9HcFrtzUSnf1P65j3Lz7eGF6jydxYNGOEIsCBDujU0FsXFPnBJbOTeyY6oOK-w7douSgfiJmsVPw2G3MJ_qKT8i5rYQ4u-soB1E1yDKj1eKh3LO1RwFyk7iXLS9VOkvFPCESk-9Ns8-OSraXB-xNepBnO_lfd9606VBexn1tXLvRynW--i4ax44CvNnqKbAZxH82NP1VAut5zwmhlO-hYedaCK05bTQ7OkheYpxIzA2mC7ELajepPR_fPo26NaJh9t4Sgtxl9-c4nO_U8dely3pgMVGsf9i0vV64Hwf&src-supplier=Compliance+Statements, Contact Plating=Gold, Country of Origin=Thailand, Drain to Source Voltage (Vdss)=-20V, Element Configuration=Single, Export Control Classification Number (ECCN) Code=EAR99, Fall Time=170ns, Height=800µm, Introduction Date=2010-05-19, Length=3.3mm, Lifecycle Status=Production, Manufacturer Part Number=FDMC510P, Max Operating Temperature=150°C, Mounting Technology="Surface Mount", Number of Channels=1, Number of Elements=1, Number of Terminals=5, Pins=8, Pricing="5=2.73, 10=1.88, 25=1.69, 50=1.49, 100=1.3, 250=1.19, 500=1.08, 1000=1.05 (USD)", Radiation Hardening=No, Rds On Max=8mΩ, REACH SVHC=Yes, Rise Time=34ns, RoHS=Compliant, Schedule B="8541290080, 8541290080|8541290080|8541290080|8541290080|8541290080", Stock=2627, Supplier=Newark, Supplier 1=Newark, Supplier Part Number 1=FDMC510P, Turn-Off Delay Time=338ns, Turn-On Delay Time=15ns, Weight=165.33333mg, Width=3.3mm
R1 R2 R14 R15: library part RES, "100mW Thick Film Resistors 75V ±5% ±200ppm/℃ 3Ω 0603 Chip Resistor - Surface Mount ROHS", Case Code (Imperial)=0603, Manufacturer="Yageo Group", Manufacturer Part Number=RC0603JR-073RL, Max Operating Temperature=155°C, Max Power Dissipation=100mW, Min Operating Temperature=-55°C, Temperature Coefficient=200ppm/°C, Tolerance=5%, Voltage Rating=50V, Working Voltage=75V, Case/Package=0603, Category="Chip SMD Resistors", China RoHS=Non-Compliant, ComponentLink1Description=https://datasheet.octopart.com:443/RC0603JR-073RL-Yageo-datasheet-175887523.pdf?src-supplier=IHS, ComponentLink1URL=https://datasheet.octopart.com:443/RC0603JR-073RL-Yageo-datasheet-175887523.pdf?src-supplier=IHS, ComponentLink2Description=https://datasheet.octopart.com:443/RC0603JR-073RL-Yageo-Group-datasheet-176638170.pdf?src-supplier=Future+Electronics, ComponentLink2URL=https://datasheet.octopart.com:443/RC0603JR-073RL-Yageo-Group-datasheet-176638170.pdf?src-supplier=Future+Electronics, ComponentLink3Description=https://datasheet.octopart.com:443/RC0603JR-073RL-Yageo-datasheet-164759695.pdf?src-supplier=Future+Electronics, ComponentLink3URL=https://datasheet.octopart.com:443/RC0603JR-073RL-Yageo-datasheet-164759695.pdf?src-supplier=Future+Electronics, ComponentLink4Description=https://datasheet.octopart.com:443/RC0603JR-073RL-Yageo-datasheet-137700087.pdf?src-supplier=Future+Electronics, ComponentLink4URL=https://datasheet.octopart.com:443/RC0603JR-073RL-Yageo-datasheet-137700087.pdf?src-supplier=Future+Electronics, ComponentLink5Description=https://datasheet.octopart.com:443/RC0603JR-073RL-Yageo-datasheet-15599030.pdf?src-supplier=Future+Electronics, ComponentLink5URL=https://datasheet.octopart.com:443/RC0603JR-073RL-Yageo-datasheet-15599030.pdf?src-supplier=Future+Electronics, ComponentLink6Description=https://datasheet.octopart.com:443/RC0603JR-073RL-Yageo-datasheet-12596169.pdf?src-supplier=Future+Electronics, ComponentLink6URL=https://datasheet.octopart.com:443/RC0603JR-073RL-Yageo-datasheet-12596169.pdf?src-supplier=Future+Electronics, ComponentLink7Description=https://datasheet.octopart.com:443/RC0603JR-073RL-Yageo-datasheet-8328172.pdf?src-supplier=TME, ComponentLink7URL=https://datasheet.octopart.com:443/RC0603JR-073RL-Yageo-datasheet-8328172.pdf?src-supplier=TME, ComponentLink8Description=https://datasheet.octopart.com/RC0603JR-073RL-Yageo-datasheet-73766026.pdf, ComponentLink8URL=https://datasheet.octopart.com/RC0603JR-073RL-Yageo-datasheet-73766026.pdf, ComponentLink9Description=https://datasheet.octopart.com:443/RC0603JR-073RL-Yageo-datasheet-118562.pdf?src-supplier=DigiKey, ComponentLink9URL=https://datasheet.octopart.com:443/RC0603JR-073RL-Yageo-datasheet-118562.pdf?src-supplier=DigiKey, ComponentLink10Description=http://sigma.octopart.com:80/conflict_mineral_statement/Yageo-company-3.pdf?src-supplier=Compliance+Statements, ComponentLink10URL=http://sigma.octopart.com:80/conflict_mineral_statement/Yageo-company-3.pdf?src-supplier=Compliance+Statements, ComponentLink11Description=http://sigma.octopart.com:80/rohs_statement/Yageo-company-2.pdf?src-supplier=Compliance+Statements, ComponentLink11URL=http://sigma.octopart.com:80/rohs_statement/Yageo-company-2.pdf?src-supplier=Compliance+Statements, Composition="Thick Film", Contact Plating="Lead, Tin", Country of Origin="Mainland China, Taiwan", Depth=800µm, Export Control Classification Number (ECCN) Code=EAR99, Features="Moisture Resistant", Harmonized Tariff Schedule (HTS) Code=8533.21.00.30, Height=450µm, Introduction Date=2008-07-18, Lead Free="Lead Free", Length=1.6mm, Lifecycle Status=Production, Military Standard=Not, Mounting Technology="Surface Mount", Number of Terminals=2, Number of Terminations=2, Power Rating=100mW, Pricing="1=0.101, 25=0.011, 50=0.011, 100=0.010 (USD)", Radiation Hardening=No, REACH SVHC=Yes, RoHS=Compliant, Schedule B="8533210045, 8533210045|8533210045|8533210045|8533210045|8533210045", Stock=51377, Supplier 1=Newark, Supplier Part Number 1=RC0603JR-073RL, Termination=SMD/SMT, Voltage Rating (DC)=50V, Width=800µm